# Allegro board RK3588_Template_LP4XD200P232SD8_41R0X41R0_2133MHz_H1R6_V10_20211229.brd (continued)
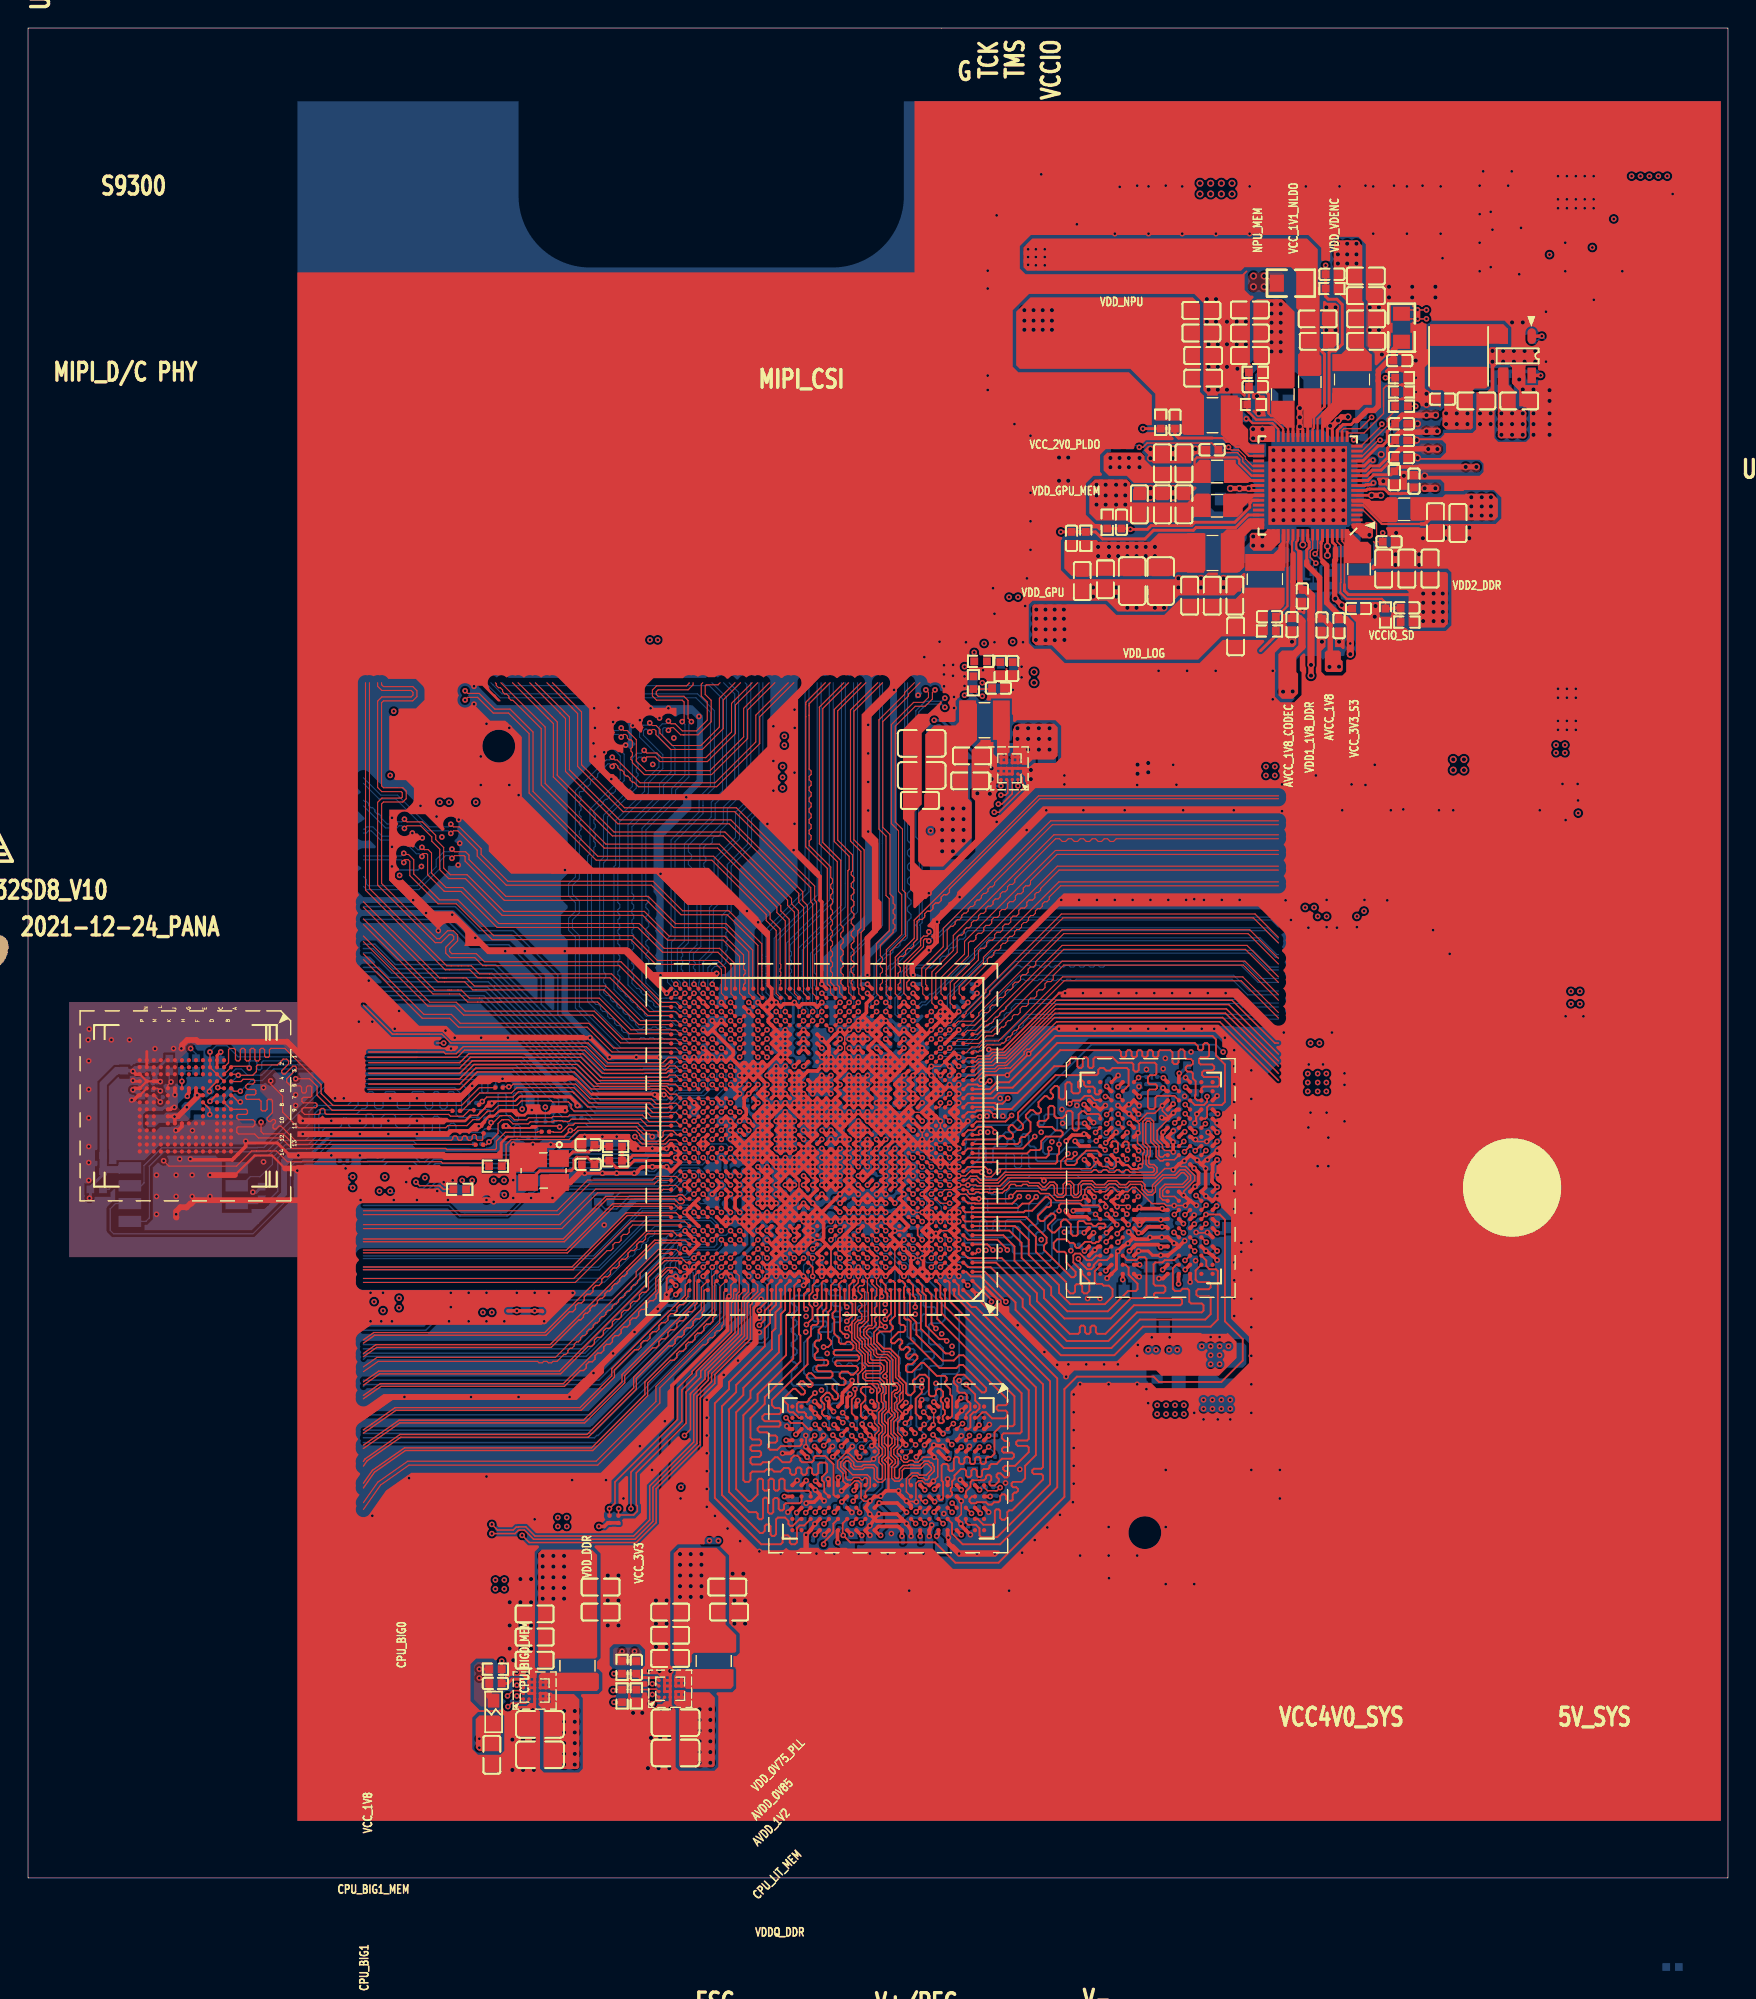
[diagram p0: board, top side]
## Routing (per net, layer and track width the routed paths; a pad name or vN(x,y) marks a point on that pad's centre or on a via; arc(x,y) is an arc through that point) (continued)
  TOP w0.254: 61.39,45.1 U1000.F10 61.71,44.78 62.04,45.1 U1000.F9 ; 61.39,45.1 v1(61.06,44.78) 60.74,45.1 U1000.F11 ; 61.39,45.1 61.71,45.43 ; v1(55.22,55.83) 55.54,55.5 U1000.AB19 ; v1(55.22,55.83) 54.89,56.15 U1000.AC20 ; v1(55.22,55.83) U1000.AB20 ; v1(66.26,58.43) U1000.AG3 U1000.AF4 65.29,58.1 v1(65.61,57.78) U1000.AE3 v1(65.61,57.13) ; 62.04,47.05 61.72,46.74 ; 62.04,47.05 62.69,46.41 62.36,46.08 ; 62.04,47.05 61.72,47.38 ; 62.04,47.05 v1(62.36,47.38) ; 61.72,46.74 61.41,47.05 U1000.J10 ; 61.72,46.74 U1000.H10 ; 53.26,58.42 52.66,57.83 ; 53.26,58.42 U1000.AG22 ; 53.26,58.42 53.27,58.42 U1000.AF22 53.59,58.1 v1(53.92,58.43) ; 52.66,57.83 52.57,57.83 U1000.AF24 v1(51.97,57.78) ; 52.66,57.83 U1000.AE24 ; v1(61.06,56.48) 61.39,56.8 U1000.AD10 ; v1(61.06,56.48) U1000.AC11 ; v1(61.06,56.48) U1000.AC10 61.39,56.15 v1(61.06,55.83) ; v1(61.06,56.48) 60.74,56.8 U1000.AD11 ; 62.03,52.27 61.72,52.58 v1(61.71,52.58) ; 62.03,52.27 62.37,51.93 ; 62.03,52.27 62.35,52.58 62.36,52.58 ; v1(55.87,54.53) U1000.AA18 ; v1(55.87,54.53) U1000.Y18 ; v1(55.87,54.53) U1000.Y19 ; v1(55.86,54.53) U1000.AA19 ; U1000.AA18 56.19,54.85 v1(56.52,54.53) ; U1000.AA18 v1(55.87,55.18) ; U1000.AA18 56.52,55.18 ; 55.22,50.63 U1000.P20 ; 55.22,50.63 U1000.R19 ; 55.21,50.63 U1000.R20 ; 55.22,50.63 U1000.P19 ; U1000.P20 54.57,49.98 ; U1000.P20 54.89,50.3 v1(54.57,50.63) ; 59.94,26.82 v1(59.95,26.83) ; v1(59.95,26.83) U3801.N9 60.68,27.15 v1(60.71,27.18) 60.71,27.18 61.09,27.56 v1(61.98,27.56) 61.98,27.4 U3801.K9 v1(62.55,26.83) 62.87,26.5 U3801.J10 ; v1(59.95,26.83) U3801.P10 v1(59.93,25.89) U3801.N11 ; U1000.J22 53.91,46.73 ; U1000.J22 v1(53.27,47.38) ; U1000.J22 53.3,46.76 53.23,46.76 ; U1000.J22 53.88,47.35 53.88,47.41 ; 53.92,46.73 U1000.H22 ; 53.92,46.73 U1000.J21 ; 51.94,68.07 v1(51.98,68.04) 52.7,67.31 52.7,63.54 U1000.AP23 U1000.AN23 ; 60.43,59.72 60.09,60.05 U1000.AJ12 ; 60.43,59.72 60.44,59.7 ; 60.43,59.72 60.4,59.72 U1000.AH12 59.82,59.13 59.82,59.03 U1000.AG12 ; U1000.Y3 65.94,54.2 65.62,54.53 U1000.AA3 ; U1000.Y3 v1(66.26,53.88) ; U1000.Y3 66.2,54.46 66.2,54.59 U1000.AA3 ; U1000.U3 66.17,52.48 66.17,52.68 U1000.V3 ; U1000.U3 65.94,52.25 v1(66.26,51.93) 65.94,51.6 U1000.T3 65.94,51.6 v1(66.26,51.28) 65.94,50.95 U1000.R3 ; U1000.U3 65.94,52.25 65.61,52.58 ; U1000.E20 54.89,44.45 ; 54.89,44.45 v1(54.57,44.78) ; 54.89,44.45 v1(55.22,44.78) ; U1000.R22 53.59,50.95 v1(53.92,50.63) ; U1000.R22 v1(53.92,51.28) U1000.R21 ; U1000.R22 53.59,50.95 v1(53.27,51.28) ; U1000.R22 v1(53.27,50.63) ; U1000.T26 50.99,51.63 50.68,51.94 ; U1000.T26 v1(51.32,51.93) v1(51.97,52.58) ; U1000.T26 U1000.R25 ; U1000.T26 v1(50.67,51.28) ; 56.84,43.15 v1(56.51,42.83) U1000.C18 v1(56.51,43.48) ; 56.84,43.15 U1000.C17 ; 56.84,43.15 v1(56.51,43.48) ; U3800.C1 75.86,55.03 v1(75.92,55.03) U3800.D2 v1(76.71,54.99) ; U1000.L22 v1(53.27,48.68) 53.59,49 U1000.M22 ; U1000.L22 53.91,48.68 ; U1000.L22 53.92,48.03 ; 64.32,55.83 U1000.AB6 64.31,55.18 64.31,55.17 ; 64.32,55.83 64.32,55.82 U1000.AB5 ; 64.32,55.83 U1000.AC5 ; U3801.N2 60.27,32.86 v1(59.97,33.17) 59.62,33.51 U3801.P1 ; U1000.AF15 v1(58.46,57.78) U1000.AE14 v1(59.11,57.78) ; U1000.AF15 57.81,57.78 ; U1000.AF15 v1(57.81,58.43) ; U1000.AF15 v1(58.46,58.43) ; U1000.AE6 v1(64.31,57.78) ; U1000.AE6 v1(64.31,57.13) U1000.AD5 ; U1000.AE6 63.64,57.8 ; U1000.F19 55.54,45.1 v1(55.22,44.78) ; U1000.F19 v1(55.86,45.43) U1000.G19 ; U1000.F19 55.53,45.1 55.21,45.42 ; 65.62,61.03 v1(65.61,61.03) 65.29,60.7 U1000.AK4 64.97,61.03 ; 65.62,61.03 65.3,61.35 U1000.AL4 ; 65.62,61.03 U1000.AL3 ; 65.94,47.7 U1000.K3 v1(65.62,47.38) ; 65.94,47.7 v1(66.26,47.38) 65.94,47.05 ; 65.94,47.7 65.97,47.7 66.28,48.02 U1000.L3 66.26,48.68 U1000.M3 v1(66.26,49.33) U1000.N3 65.94,49.65 v1(66.26,49.98) U1000.P3 65.94,50.3 ; v1(51.97,57.78) U1000.AE24 ; v1(51.97,57.78) U1000.AF25 51.31,57.78 ; v1(51.97,57.78) 51.32,57.13 ; U1000.W12 60.41,53.23 ; U1000.W12 v1(59.76,53.88) 59.44,54.2 U1000.Y13 ; U1000.W12 U1000.Y11 ; 60.41,53.23 U1000.V11 60.74,52.9 61.39,53.55 ; 60.41,53.23 60.74,53.55 U1000.W11 60.09,54.2 U1000.Y12 ; 61.71,53.23 61.39,53.55 ; 61.71,53.23 62.04,52.9 U1000.V9 ; 61.71,53.23 U1000.V10 ; 61.71,53.23 U1000.W9 ; 61.39,53.55 U1000.Y9 ; v1(56.64,31.5) 56.64,31.42 U3801.W4 ; 53.88,47.41 U1000.J21 ; 53.88,47.41 U1000.K22 ; 53.88,47.41 53.95,47.41 U1000.K21 ; U1000.J21 54.5,46.79 54.63,46.79 U1000.J20 ; U1000.J21 54.54,47.35 54.59,47.35 ; 50.68,51.94 U1000.T27 v1(50.66,51.28) ; 50.68,51.94 51.32,52.58 ; 50.68,51.94 50.65,51.94 50.28,52.31 ; v1(58.46,46.73) 58.14,47.05 U1000.J15 v1(57.82,46.73) U1000.J16 57.49,47.05 v1(57.16,46.73) 56.84,47.06 ; v1(58.46,46.73) U1000.H14 ; v1(58.46,46.73) U1000.J14 58.79,47.05 v1(59.11,46.73) ; v1(55.87,49.98) U1000.P18 U1000.R19 ; v1(55.86,49.98) U1000.P19 ; v1(55.87,49.98) 56.19,49.65 U1000.N18 v1(55.87,49.33) U1000.M18 U1000.L19 ; v1(52.62,53.88) 52.94,53.55 U1000.W23 52.62,53.23 ; v1(52.62,53.88) U1000.W24 ; v1(52.62,53.88) 52.64,53.9 U1000.Y23 ; v1(52.62,53.88) U1000.Y24 ; v1(61.06,61.03) U1000.AL11 60.41,61.03 ; v1(61.06,61.03) 60.74,60.7 ; v1(61.06,61.03) 61.39,60.7 U1000.AK10 U1000.AJ9 v1(62.36,60.38) U1000.AJ8 63.02,59.72 ; v1(67.03,30.73) 67.03,30.61 U3801.C5 ; U4000.H10 10.95,53.5 10.67,53.22 v1(10.52,53.22) ; 55.22,57.13 U1000.AE20 54.89,57.45 v1(54.57,57.13) ; 55.22,57.13 U1000.AE19 U1000.AE18 56.52,57.78 ; 55.22,57.13 U1000.AD20 ; U1000.M15 v1(57.81,48.68) U1000.L16 56.52,47.38 ; U1000.M15 58.46,49.33 ; U1000.M15 58.42,48.72 58.51,48.72 U1000.M14 ; U1000.V25 51.64,52.9 51.32,52.58 ; U1000.V25 51.64,52.9 v1(51.97,53.23) ; U1000.V25 v1(51.97,52.58) ; v1(53.27,51.28) U1000.R23 ; v1(53.27,51.28) U1000.T23 ; v1(63.01,47.38) U1000.K8 ; U1000.K8 v1(62.36,47.38) ; U1000.K8 62.36,48.03 ; 63.64,58.41 63.99,58.75 ; 63.64,58.41 63.34,58.71 U1000.AG7 ; 63.64,58.41 U1000.AF7 ; 63.99,58.75 U1000.AG6 ; 63.99,58.75 v1(63.66,59.08) ; v1(48.06,52.58) 47.74,52.25 U1000.U31 v1(48.06,51.93) U1000.U30 48.39,52.25 v1(48.06,52.58) ; v1(48.06,52.58) U1000.V30 ; 63.99,44.45 U1000.E6 63.99,44.45 v1(64.31,44.78) 64.12,44.98 64.11,44.98 63.99,45.1 ; 63.99,44.45 v1(63.67,44.13) 63.75,44.04 63.75,43.39 ; 63.99,44.45 v1(63.66,44.78) ; v1(50.67,46.73) U1000.J27 50.34,47.05 v1(50.02,46.73) ; v1(50.67,46.73) v1(51.31,47.38) ; v1(50.67,46.73) U1000.H26 ; v1(55.22,55.18) 54.89,55.5 U1000.AB20 ; v1(55.22,55.18) U1000.AA19 ; v1(55.22,55.18) U1000.AA20 ; v1(55.22,55.18) U1000.AB19 ; U1000.AF11 v1(60.41,58.43) ; U1000.AF11 60.74,58.06 60.44,57.76 ; U1000.AF11 60.75,58.1 61.39,57.46 ; U1000.AF11 v1(61.06,58.43) ; v1(60.41,58.43) 60.41,58.44 60.1,58.75 U1000.AG12 ; v1(60.41,58.43) 60.41,58.39 60.13,58.1 60.1,58.1 ; U1000.G19 55.24,46.05 55.24,46.1 55.54,46.4 U1000.H19 ; U1000.G19 v1(55.87,46.08) 55.54,46.4 U1000.H19 ; U1000.G19 55.21,45.42 ; 56.85,58.1 v1(56.52,58.43) ; 56.85,58.1 56.83,58.1 ; 56.85,58.1 57.15,57.79 ; v1(56.52,58.43) U1000.AG18 ; v1(56.52,58.43) 56.89,58.8 57.02,58.8 ; v1(39.62,52.77) v1(40.89,52.77) v1(41.91,52.77) 42.59,52.77 v1(43.43,51.93) v1(44.45,51.93) v1(45.46,51.93) U1000.U34 v1(46.11,51.93) 46.44,51.6 U1000.T33 v1(46.11,51.28) U1000.R33 U1000.P34 v1(45.46,50.63) v1(44.45,50.63) 43.77,50.63 43.71,50.57 43.65,50.57 43.41,50.33 43.41,50.27 43.31,50.17 v1(43.16,50.17) v1(41.91,50.17) v1(40.89,50.17) ; U1000.V4 v1(64.97,52.58) U1000.V5 ; U1000.V4 v1(64.96,53.23) U1000.V5 ; U1000.V4 65.61,52.58 ; U1000.V4 v1(65.61,53.23) ; U1000.H14 58.46,46.08 U1000.G15 ; U1000.H14 v1(59.11,46.73) ; U1000.T20 55.21,51.28 ; U1000.T20 v1(55.22,51.93) ; U1000.T20 v1(54.57,51.28) ; 55.22,51.28 U1000.T19 ; 55.22,51.28 U1000.R20 ; 55.21,51.28 U1000.R19 ; U1000.J20 55.15,47.31 55.28,47.31 U1000.J19 ; U1000.J20 54.89,47.05 55.23,46.72 ; U1000.J20 54.59,47.35 ; 33.55,48.25 33.66,48.25 33.72,48.19 34.1,48.19 34.16,48.25 34.35,48.25 34.37,48.23 v1(34.54,48.41) ; U3800.K4 77.62,51.13 v1(77.59,51.13) 77.46,51.13 U3800.J3 ; U1000.G25 51.3,46.09 ; 51.3,46.09 U1000.H26 ; 51.3,46.09 51.33,46.09 U1000.H25 ; 61.07,53.88 60.74,54.2 U1000.Y11 ; 61.07,53.88 U1000.W10 ; 61.07,53.88 U1000.Y10 ; 61.06,53.88 60.74,53.55 U1000.V10 ; U1000.Y15 v1(57.81,54.53) ; U1000.Y15 U1000.W16 ; U1000.Y15 58.44,53.9 58.49,53.9 ; U1000.Y15 v1(58.46,54.53) U1000.Y14 ; v1(57.81,54.53) 57.49,54.2 U1000.Y16 ; v1(57.81,54.53) U1000.AA16 ; U1000.W2 v1(66.26,53.88) ; U1000.W2 v1(66.91,53.88) ; U1000.W2 v1(66.26,53.23) ; v1(66.26,53.88) U1000.W3 ; 57.81,57.78 U1000.AE15 ; 57.81,57.78 U1000.AE16 ; 57.81,57.78 U1000.AF16 ; U1000.AE15 U1000.AF14 ; U1000.AE15 57.81,57.13 ; U1000.AG12 59.76,58.43 ; 61.72,58.42 60.76,57.45 U1000.AE11 ; 61.72,58.42 62.36,57.78 ; 61.72,58.42 U1000.AG10 ; U1000.F22 53.9,44.79 53.9,44.77 ; U1000.F22 53.56,45.1 53.25,45.41 ; U1000.F22 53.59,45.1 v1(53.92,45.43) ; U1000.F22 53.26,44.77 ; U1000.E22 53.27,44.77 53.26,44.77 ; U1000.E22 v1(53.91,44.13) ; U1000.E22 53.27,44.14 ; U1000.E22 53.9,44.77 ; 54.56,49.98 U1000.N20 ; 54.56,49.98 U1000.P21 ; v1(62.36,50.63) 62.04,50.3 U1000.P9 v1(62.36,49.98) ; v1(62.36,50.63) U1000.R9 62.04,50.95 v1(62.36,51.28) ; v1(62.36,50.63) U1000.R8 ; 62.36,48.03 62.04,47.7 U1000.K9 ; 62.36,48.03 62.04,48.35 U1000.L9 v1(62.36,48.68) 62.04,49 U1000.M9 62.36,49.33 U1000.N9 v1(62.36,49.98) ; v1(54.56,55.83) U1000.AC21 v1(54.57,56.48) ; v1(54.57,55.83) U1000.AB20 ; v1(54.57,55.83) U1000.AC20 ; U1000.K21 54.58,48.04 ; U1000.K21 54.59,47.35 ; U1000.K21 53.92,48.03 ; 54.58,48.04 54.89,48.35 U1000.L20 ; 54.58,48.04 54.26,48.35 U1000.L21 ; U1000.C15 58.14,43.15 v1(58.46,43.48) ; U1000.C15 58.14,43.15 v1(58.46,42.83) U1000.C14 ; U1000.C15 v1(57.81,42.83) U1000.C16 ; U1000.W6 63.99,53.55 v1(64.31,53.23) U1000.V5 ; U1000.W6 v1(64.32,53.88) ; U1000.W6 63.99,53.55 v1(63.66,53.23) U1000.W7 v1(63.01,53.88) U1000.Y8 ; v1(80.64,44.32) 81.12,44.32 U3800.Y8 U3800.W9 ; 53.25,59.09 U1000.AH23 52.94,59.42 53.26,59.73 ; 53.25,59.09 U1000.AG22 ; 53.25,59.09 53.28,59.09 U1000.AH22 ; 51.32,48.03 51.56,47.78 51.56,47.78 ; 51.32,48.03 U1000.K26 v1(51.31,47.38) ; 51.32,48.03 U1000.L26 v1(51.31,48.68) ; 51.32,48.03 51.64,48.35 U1000.L25 v1(51.32,48.68) ; v1(52.62,55.18) U1000.AB24 ; v1(52.62,55.18) U1000.AA24 ; v1(52.62,55.18) U1000.AA23 ; U1000.AB24 51.97,55.83 52.29,56.15 U1000.AC24 ; U1000.AB24 v1(52.62,55.83) U1000.AC24 ; 52.02,51.23 U1000.T25 ; 52.02,51.23 v1(51.97,51.28) ; 52.02,51.23 U1000.R24 52.61,51.27 ; U1000.T25 U1000.R26 ; U1000.T25 50.67,52.57 ; U1000.T25 v1(51.97,51.93) ; U3801.J3 63.15,31.67 v1(63.15,31.65) ; v1(53.27,47.38) U1000.K22 ; v1(53.27,47.38) 52.94,47.05 U1000.J23 ; U1000.AC20 v1(54.57,56.48) ; U1000.AC20 v1(55.22,56.48) U1000.AD20 ; 59.37,60.77 U1000.AK13 ; 59.37,60.77 v1(59.12,61.03) ; 59.37,60.77 v1(59.76,60.38) ; U1000.AK13 59.44,60.72 59.75,61.04 ; U1000.AK13 v1(59.11,60.38) 58.79,60.7 U1000.AK14 ; 63.99,43.15 U1000.C6 v1(64.31,42.83) ; 63.99,43.15 63.75,43.39 ; 63.99,43.15 63.67,42.83 ; v1(55.86,53.23) U1000.W18 ; v1(55.87,53.23) U1000.W19 ; v1(55.86,53.23) U1000.V19 ; v1(55.87,53.23) U1000.V18 55.87,52.59 ; U1000.W18 v1(55.87,53.88) ; U1000.W18 v1(56.51,53.88) ; v1(62.37,49.98) U1000.P8 ; U1000.U19 55.54,52.25 55.87,52.59 ; U1000.U19 55.86,51.94 v1(55.86,51.92) ; U1000.U19 v1(55.22,51.93) ; v1(62.36,58.43) 62.68,58.74 ; v1(62.37,58.43) U1000.AF8 ; v1(62.36,58.43) 61.72,57.79 ; 62.68,58.74 62.7,58.74 63.01,58.43 ; 62.68,58.74 63.69,59.75 ; 56.85,59.39 v1(56.52,59.73) U1000.AJ18 ; 56.85,59.39 56.85,59.41 U1000.AJ16 v1(57.81,60.38) U1000.AJ15 58.14,60.05 v1(58.48,60.4) U1000.AK14 ; 56.85,59.39 57.02,59.22 57.02,58.8 ; U1000.E3 66.26,44.13 U1000.D3 ; U1000.E3 65.62,44.13 U1000.D3 ; U1000.E3 65.94,44.45 v1(66.26,44.78) U1000.F3 v1(66.26,45.43) U1000.G3 ; U1000.C17 57.15,42.84 57.18,42.84 U1000.C16 ; U1000.C17 56.84,43.15 57.16,43.48 U1000.C16 ; 61.71,45.43 61.39,45.75 U1000.G10 v1(61.71,46.08) U1000.H10 ; 61.71,45.43 U1000.F9 ; v1(80.72,54.13) 80.79,54.05 U3800.E8 v1(81.55,54.46) 81.79,54.7 U3800.D9 ; v1(50.02,46.73) U1000.H28 49.38,46.71 ; v1(50.02,46.73) U1000.J28 49.69,47.02 49.38,46.71 ; U1000.AG30 v1(48.07,59.08) ; U1000.AG30 v1(48.71,58.43) ; U1000.AG30 v1(48.07,58.43) ; v1(64.32,42.83) 64.64,43.15 U1000.C5 v1(64.96,42.83) U1000.C4 ; v1(64.31,42.83) 63.99,42.5 ; U1000.F15 v1(58.46,45.43) ; U1000.F15 v1(57.82,44.78) ; U1000.F15 58.14,45.1 v1(58.46,44.78) ; U1000.F15 v1(57.81,45.43) ; v1(58.46,45.43) 58.14,45.75 U1000.G15 ; v1(58.46,45.43) U1000.F14 ; 59.76,58.43 59.44,58.1 U1000.AF13 ; 59.76,58.43 U1000.AF12 ; U1000.AF16 57.18,58.41 ; U1000.AF16 v1(57.81,58.43) ; U1000.AF16 v1(57.16,57.78) ; 57.18,58.41 57.02,58.57 57.02,58.8 ; 57.18,58.41 57.15,58.41 56.83,58.1 ; U1000.V5 v1(64.32,52.58) 64,52.27 ; U1000.AK14 v1(59.11,61.03) ; U1000.J24 51.96,47.39 ; U1000.J24 51.97,46.73 ; U1000.J24 52.29,47.05 v1(52.62,47.38) U1000.J23 ; U1000.J24 52.62,46.73 U1000.J23 ; 51.96,47.39 51.56,47.78 ; 51.96,47.39 51.96,47.37 U1000.J25 ; U1000.J25 51.32,46.73 ; U1000.J25 51.64,47.05 51.97,46.73 ; U1000.J25 v1(51.31,47.38) ; 51.31,46.73 U1000.H26 ; 51.32,46.73 U1000.H25 ; v1(62.5,30.82) 62.5,30.88 U3801.K4 ; U1000.AB32 v1(47.41,55.18) U1000.AA31 v1(47.41,54.53) ; U1000.G22 53.34,46 53.34,46.15 U1000.H22 ; U1000.G22 v1(53.92,46.08) ; U1000.G22 v1(53.91,45.43) ; U1000.G22 53.59,45.75 53.25,45.41 ; U1000.R19 U1000.T18 56.19,51.6 55.87,51.92 v1(55.86,51.92) ; 62.36,53.23 U1000.V9 ; 62.36,53.23 62.04,53.55 U1000.W9 ; 62.36,53.23 U1000.V8 ; U1000.V9 62.36,52.58 ; U1000.V9 v1(61.71,52.58) ; U3801.T3 57.94,31.57 v1(57.94,31.55) ; 60.41,60.38 60.09,60.7 U1000.AK12 ; 60.41,60.38 U1000.AK11 60.42,61.03 ; 60.42,60.38 U1000.AJ11 60.74,60.05 60.44,59.75 60.44,59.7 ; 60.41,60.38 U1000.AJ12 ; v1(48.72,58.43) 48.39,58.1 U1000.AF30 v1(48.07,58.43) ; v1(48.72,58.43) U1000.AF29 ; U1000.AG7 U1000.AH8 63.01,59.72 63.02,59.72 ; U1000.AG7 v1(63.66,59.08) ; U1000.AG7 63.01,58.43 ; 53.92,48.03 U1000.K22 ; 53.92,48.03 U1000.L21 ; U1000.P1 67.24,50.3 67.82,50.3 v1(67.89,50.24) ; U1000.R3 65.94,50.95 v1(66.26,50.63) 65.94,50.3 ; U1000.R3 v1(65.62,50.63) ; 55.23,46.72 55.54,47.03 U1000.J19 ; 55.23,46.72 U1000.H19 ; U1000.V27 v1(50.02,52.58) 50.28,52.31 ; U1000.V27 v1(50.02,53.23) 50.34,53.55 U1000.W27 v1(50.02,53.88) U1000.Y28 v1(49.37,53.88) ; U1000.V27 50.34,52.9 50.67,52.57 ; U1000.AA8 62.69,54.85 v1(63.01,55.17) ; U1000.AA8 62.99,54.55 62.99,54.5 U1000.Y8 ; U1000.AA8 62.4,54.56 ; U1000.J23 53.23,46.76 ; 53.23,46.76 U1000.H22 ; C2325.2 62.8,82.1 63.45,82.74 64.15,82.74 64.47,83.06 ; 56.52,47.38 56.19,47.7 U1000.K18 ; 56.52,47.38 56.84,47.06 ; 56.52,47.38 U1000.J18 ; U1000.D3 65.61,43.47 ; U1000.D3 65.94,43.8 v1(66.26,43.48) 65.94,43.15 U1000.C3 ; 65.61,43.47 65.93,43.15 U1000.C3 ; 65.61,43.47 U1000.C4 ; U1000.Y5 64.64,54.2 v1(64.32,53.88) ; U1000.Y5 v1(64.96,53.88) ; U1000.Y5 64.37,54.47 ; v1(56.52,53.88) 56.19,54.2 U1000.Y18 ; v1(56.52,53.88) 56.84,54.2 U1000.Y17 ; v1(56.52,53.88) U1000.W17 v1(57.16,53.88) ; U1000.W16 57.49,53.55 57.81,53.24 ; U1000.W16 v1(57.17,53.88) ; 51.32,49.33 50.99,49.65 U1000.N26 v1(51.31,49.98) ; 51.32,49.33 U1000.M25 51.64,49 v1(51.32,48.68) ; 51.32,49.33 U1000.N25 ; 51.31,49.33 U1000.M26 v1(51.31,48.68) ; v1(64.48,33.24) U3801.G1 ; U1000.Y17 v1(56.52,54.53) ; U1000.Y17 v1(57.16,54.53) ; U1000.Y17 v1(57.16,53.88) ; v1(56.52,54.53) U1000.Y18 ; v1(56.52,54.53) U1000.AA17 ; U1000.AA19 v1(55.87,55.18) ; U1000.AA19 U1000.Y20 ; 55.25,48.64 55.18,48.64 U1000.L20 ; 55.25,48.64 U1000.M20 54.57,48.68 ; 55.25,48.64 U1000.L19 ; 58.49,53.9 U1000.W15 ; 58.49,53.9 U1000.Y14 ; U1000.J18 v1(55.86,46.73) ; U1000.J18 56.19,47.06 55.87,47.38 ; U1000.J18 56.51,46.73 ; v1(55.86,46.73) U1000.H19 ; v1(55.86,46.73) U1000.J19 ; v1(61.06,55.18) U1000.AA10 U1000.Y9 ; v1(61.06,55.18) 60.74,55.5 U1000.AB11 ; v1(61.06,55.18) 61.39,55.5 U1000.AB10 v1(61.06,55.83) ; v1(61.06,55.18) U1000.AA11 ; v1(59.76,46.73) 59.44,47.05 U1000.J13 v1(59.11,46.73) ; v1(59.76,46.73) U1000.J12 60.09,47.05 v1(60.41,46.73) ; v1(59.76,46.73) U1000.H12 ; 63.75,43.39 63.58,43.39 U1000.C7 ; U1000.AE21 v1(54.57,57.13) ; v1(54.57,57.13) U1000.AD21 54.24,56.8 v1(54.57,56.48) ; v1(54.57,57.13) 54.89,56.8 U1000.AD20 ; 63.02,59.72 63.02,59.74 U1000.AJ7 ; 63.02,59.72 v1(63.66,59.08) ; v1(55.87,55.18) U1000.AB18 56.51,55.18 ; v1(55.87,55.18) 55.54,55.5 U1000.AB19 ; 61.99,85.09 61.66,84.76 v1(61.66,84.58) ; U1000.AA20 v1(54.57,55.18) ; U1000.AA20 U1000.Y19 ; U1000.AA20 54.57,54.53 54.57,54.52 ; v1(54.57,55.18) U1000.AB20 ; v1(54.57,55.18) U1000.AA21 ; U1000.AG22 v1(53.92,58.43) ; U1000.AG22 53.59,58.75 v1(53.92,59.08) ; v1(53.92,58.43) U1000.AG21 v1(53.92,59.08) ; v1(53.92,58.43) U1000.AF21 ; 47.38,47.99 47.45,47.99 U1000.K31 ; 47.38,47.99 47.74,48.35 U1000.L31 ; 47.38,47.99 U1000.K32 v1(46.76,47.38) U1000.J32 U1000.H31 ; 56.84,45.1 56.51,45.43 56.64,45.56 56.64,46.6 56.51,46.73 ; 56.84,45.1 57.16,44.78 U1000.F16 ; 56.84,45.1 U1000.E18 56.19,44.45 v1(56.51,44.13) 56.19,43.8 v1(56.51,43.48) ; 58.79,43.15 U1000.C14 ; 58.79,43.15 v1(59.11,42.83) U1000.C13 ; 58.79,43.15 v1(59.11,43.48) U1000.C13 ; U1000.C14 v1(58.46,43.48) ; 63.64,57.8 63.64,57.76 U1000.AE7 ; 63.64,57.8 63.64,57.8 U1000.AF7 ; U1000.AA24 U1000.Y23 ; U1000.AA24 51.93,54.49 ; U1000.Y23 53.28,54.55 ; v1(62.36,47.38) U1000.K9 ; U1000.R26 U1000.P25 ; U1000.R26 50.99,50.95 v1(50.67,51.28) ; 64.01,60.07 v1(64.31,60.38) U1000.AK5 64.97,61.03 ; 64.01,60.07 63.69,59.75 ; 64.01,60.07 63.97,60.07 63.61,60.43 ; v1(53.92,59.08) U1000.AH21 v1(53.92,59.73) ; v1(53.92,59.08) 53.59,59.4 U1000.AH22 ; v1(75.25,48.49) U3800.P1 ; 62.36,52.58 v1(63.01,51.93) 63.39,52.3 ; 62.36,52.58 62.68,52.9 U1000.V8 ; U1000.F9 v1(62.36,45.43) ; U1000.F9 v1(62.36,44.78) U1000.E8 v1(63.01,44.13) 62.87,43.98 62.87,43.56 ; U1000.AL4 v1(64.97,61.68) ; U1000.AL4 64.97,61.03 ; U1000.AL4 65.29,61.35 65.61,61.68 ; v1(64.96,61.68) U1000.AM4 ; v1(64.96,61.68) 64.64,61.35 U1000.AL5 64.97,61.03 ; U1000.AC11 60.72,56.15 60.41,55.84 ; U1000.AC11 v1(61.06,55.83) ; U1000.AC11 U1000.AD12 60.09,56.8 U1000.AE11 ; v1(58.46,49.98) U1000.P14 58.79,50.3 v1(58.46,50.63) ; v1(58.46,49.98) U1000.N15 58.47,49.33 ; v1(58.46,49.98) 58.79,49.65 U1000.N14 58.46,49.33 ; v1(58.46,49.98) 58.14,50.3 U1000.P15 v1(58.46,50.63) ; U1000.AK12 60.09,60.7 60.41,61.03 ; U1000.AK12 v1(59.76,60.38) ; U1000.AK12 59.75,61.04 ; U1000.C8 62.87,43.33 62.87,43.56 ; U1000.C8 v1(62.36,42.83) U1000.C9 61.71,43.48 61.39,43.15 U1000.C10 61.39,43.15 v1(61.06,42.83) 60.74,43.15 U1000.C11 ; U1000.C8 63.01,42.83 U1000.C7 ; U1000.R20 v1(54.57,50.63) ; U1000.R20 v1(54.57,51.28) ; v1(54.57,50.63) U1000.P21 ; v1(54.57,50.63) 54.24,50.95 U1000.R21 ; v1(61.06,55.83) U1000.AB11 ; U1000.P19 v1(55.87,50.63) U1000.R18 U1000.T19 ; v1(63.01,62.98) U1000.AN7 ; U1000.P22 53.91,49.98 ; U1000.P22 v1(53.92,50.63) ; U1000.P22 53.27,49.98 U1000.N22 ; U1000.P22 v1(53.27,50.63) ; 53.92,49.98 U1000.N22 ; 53.92,49.98 U1000.P21 ; 52.62,53.23 U1000.W24 ; 52.62,53.23 U1000.V24 ; 52.62,53.23 U1000.V23 v1(52.62,52.58) ; U1000.G15 v1(57.81,45.43) ; U1000.M11 60.74,49 v1(61.06,49.33) U1000.N11 v1(61.06,49.98) 60.74,50.3 U1000.P11 v1(61.06,50.63) 60.74,50.95 U1000.R11 v1(61.06,51.28) 60.74,51.6 U1000.T11 v1(61.06,51.93) v1(61.71,52.58) ; U1000.M11 v1(60.41,48.68) ; U1000.M11 v1(61.06,48.68) ; v1(54.57,56.48) U1000.AD20 ; 53.26,44.77 U1000.E23 53.26,44.14 53.27,44.14 ; 53.26,44.77 52.94,45.09 U1000.F23 ; U3801.Y1 55.72,33.4 v1(56.05,33.08) U3801.W2 ; U1000.R21 v1(53.92,50.63) ; U1000.R21 v1(54.57,51.28) ; v1(53.92,50.63) U1000.P21 ; U3801.AB8 v1(54.76,28.3) ; U1000.Y20 54.89,54.2 v1(55.22,53.88) ; U1000.Y20 54.57,54.52 ; v1(64.31,46.73) U1000.J6 ; v1(64.32,46.73) 64.64,47.05 ; v1(64.31,46.73) U1000.H6 ; U1000.J6 v1(63.67,47.38) 63.99,47.7 ; U1000.J6 63.99,47.05 v1(64.31,47.38) ; 62.37,25.4 60.42,25.4 U3801.N11 ; 62.37,25.4 v1(62.55,25.23) U3801.J12 v1(62.87,24.33) ; 62.37,25.4 U3801.K11 61.87,25.91 v1(60.58,25.91) 60.27,25.6 U3801.N11 ; U1000.AA22 53.28,54.55 ; U1000.AA22 v1(53.92,55.18) U1000.AA21 ; U1000.AA22 v1(53.27,55.18) U1000.AA23 ; 53.28,54.55 53.25,54.55 U1000.AA23 ; 50.28,52.31 50.41,52.31 50.67,52.57 ; U1000.AG10 61.09,59.06 U1000.AH11 60.44,59.7 ; U1000.AG10 61.39,58.74 61.08,58.43 v1(61.06,58.43) ; U3801.N11 59.93,25.08 v1(59.93,25.07) 59.93,25.07 U3801.P12 59.62,24.71 v1(59.94,24.38) 